# Altium PCB HMI_F767_V1.0_edited.PcbDoc (part 1 of 3)
Units mm, origin at the board's own origin, x right, y up, seen from the top; angles counter-clockwise.
Board outline 215.87 x 145.41 mm, 2 copper layers (Top Layer, Bottom Layer), stack 1.635 mm thick; 236 components, 218 nets, 1089 pads, 471 vias.
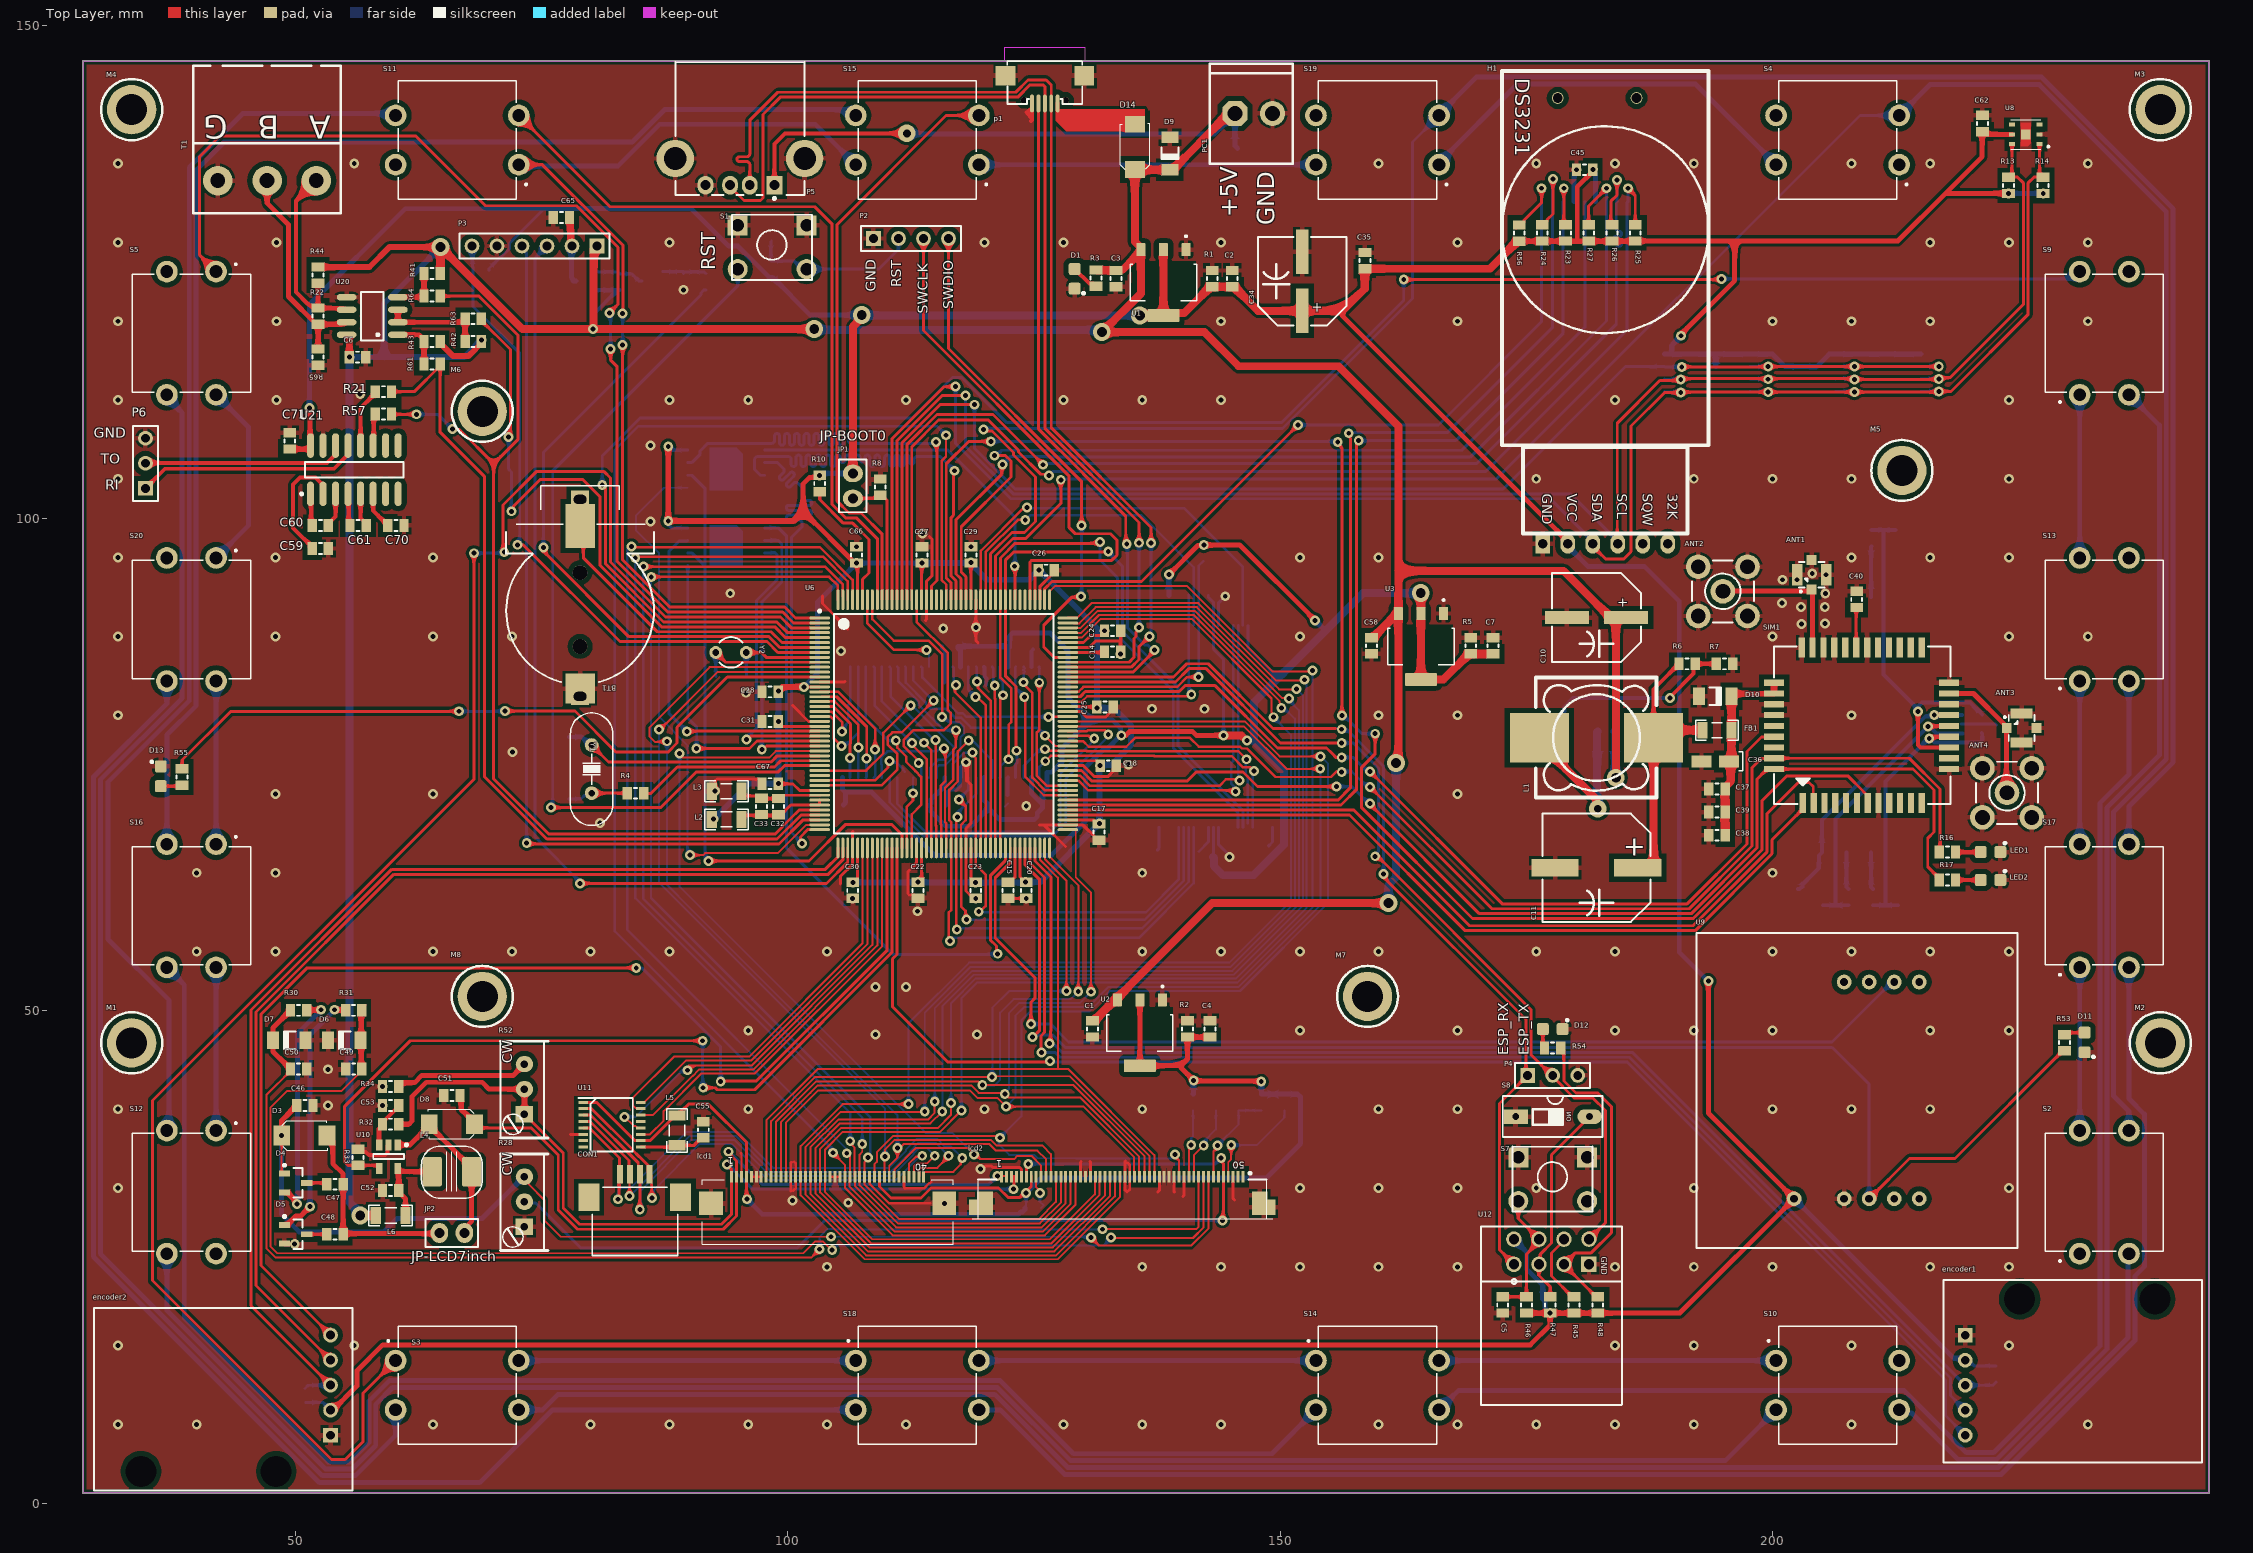
[diagram p0: Top Layer view]
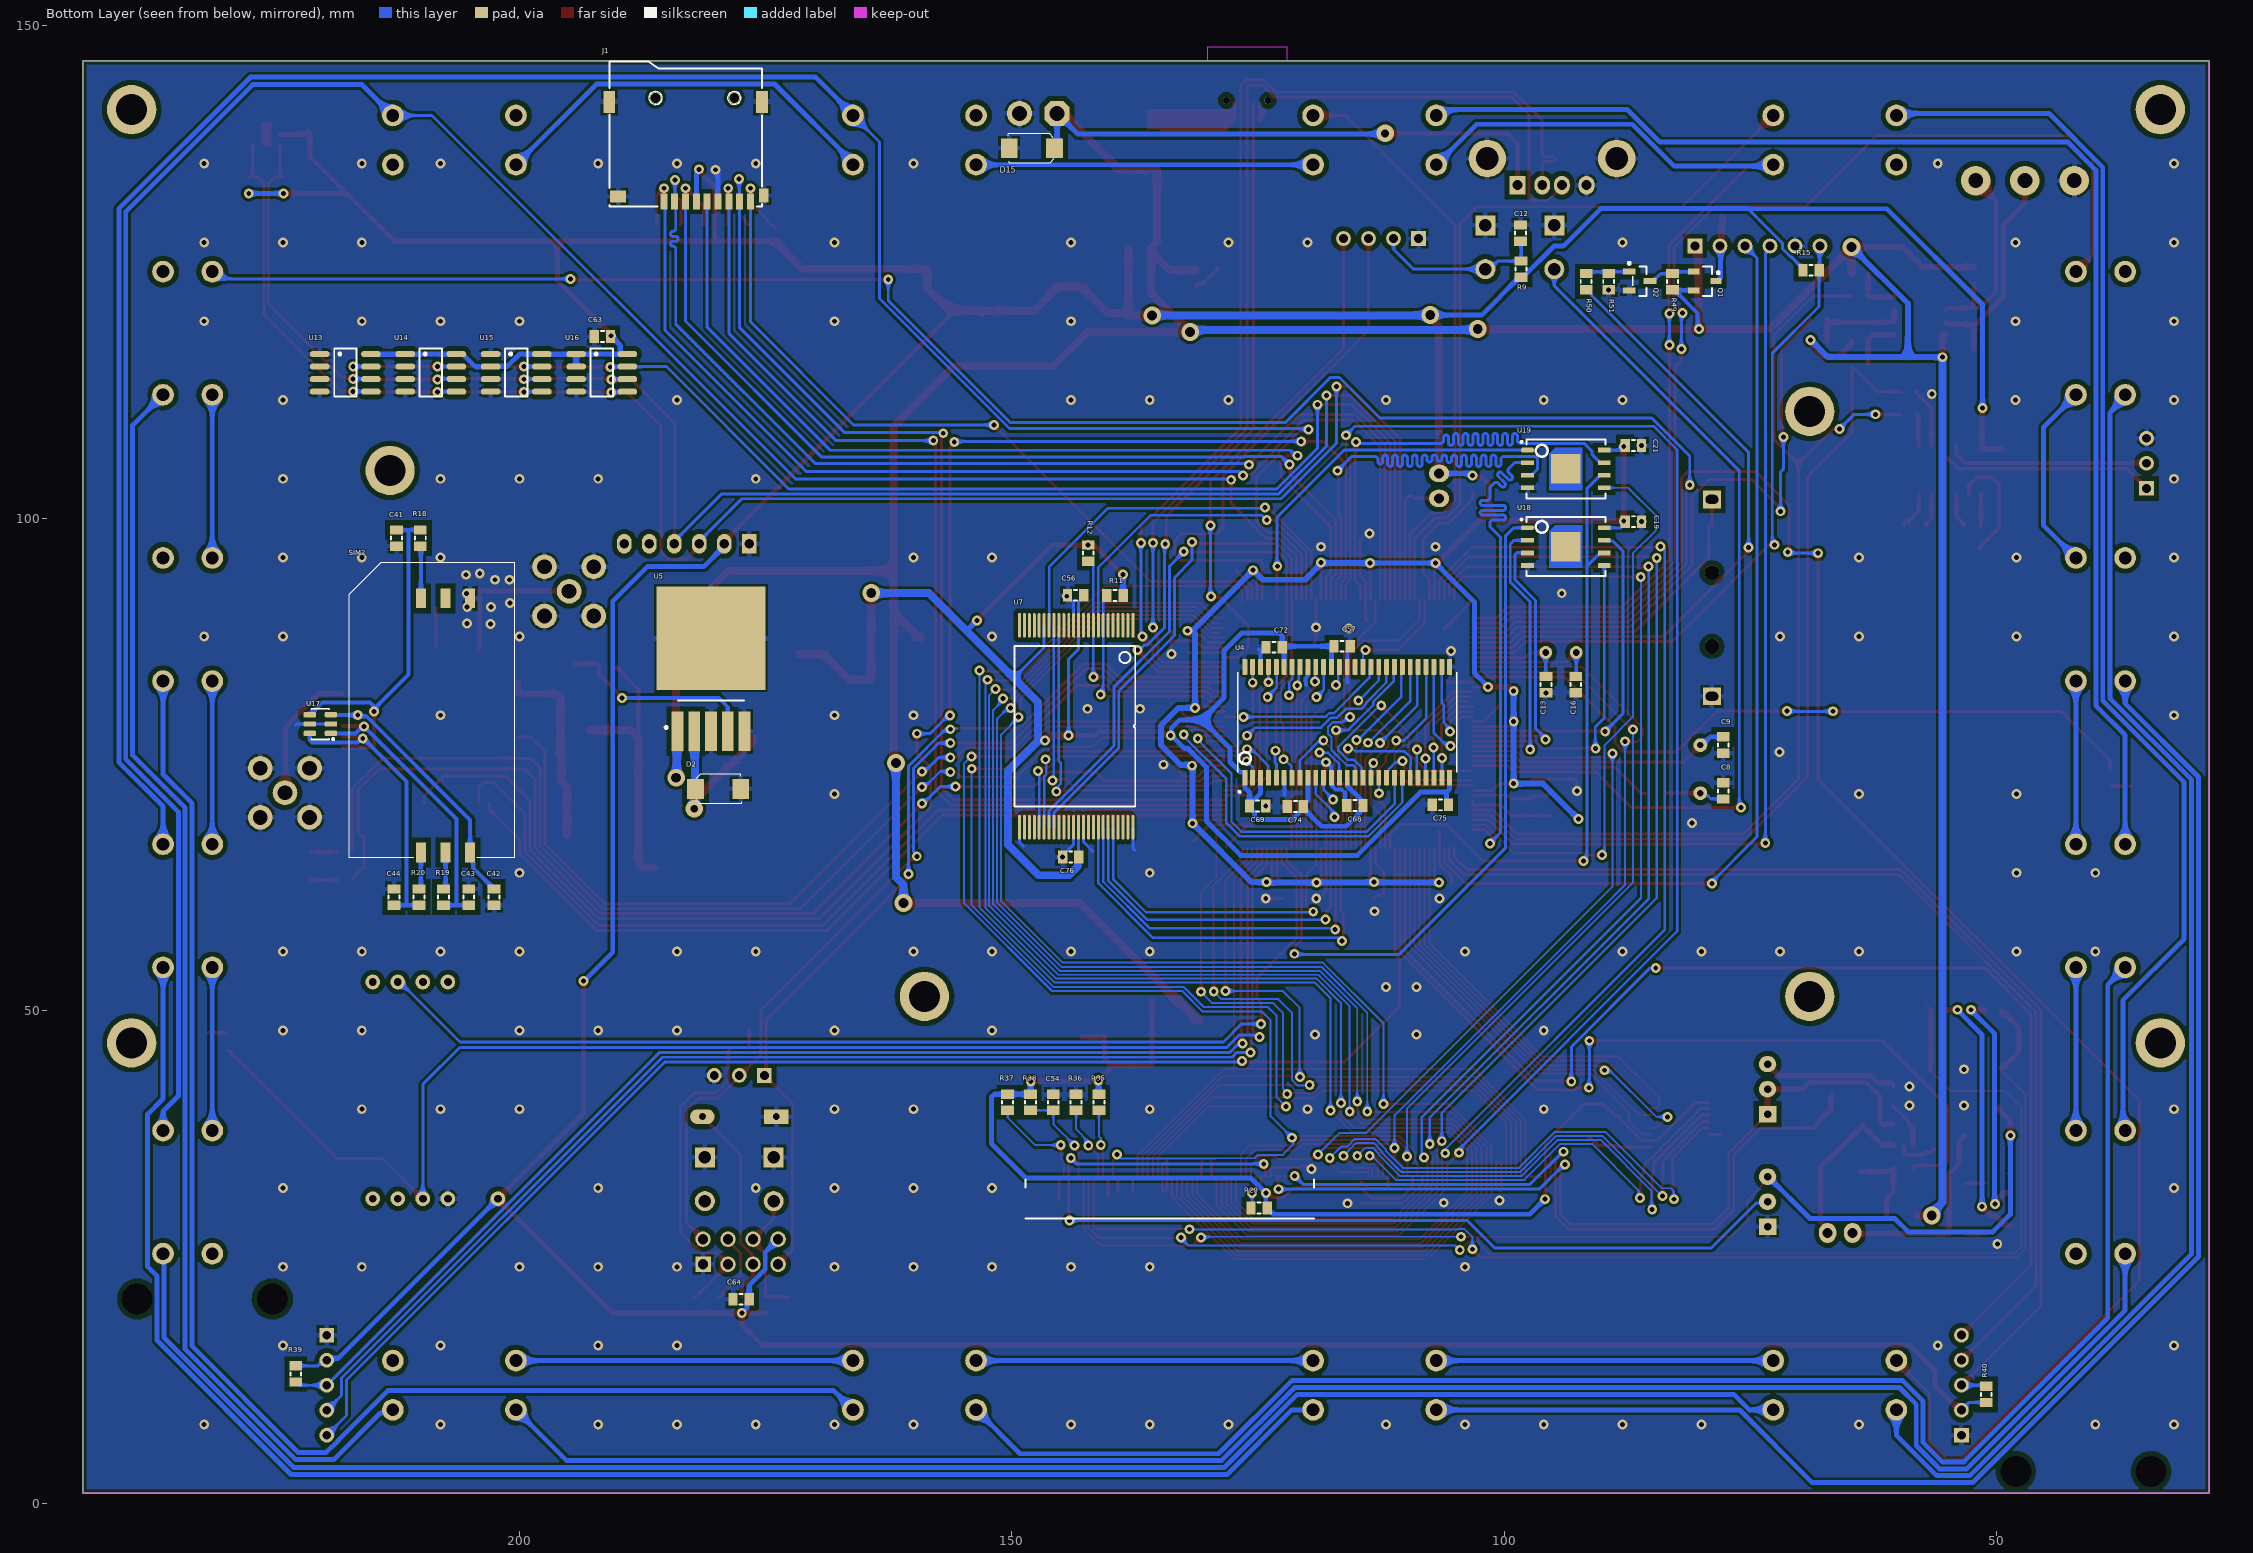
[diagram p1: Bottom Layer view, seen from below]
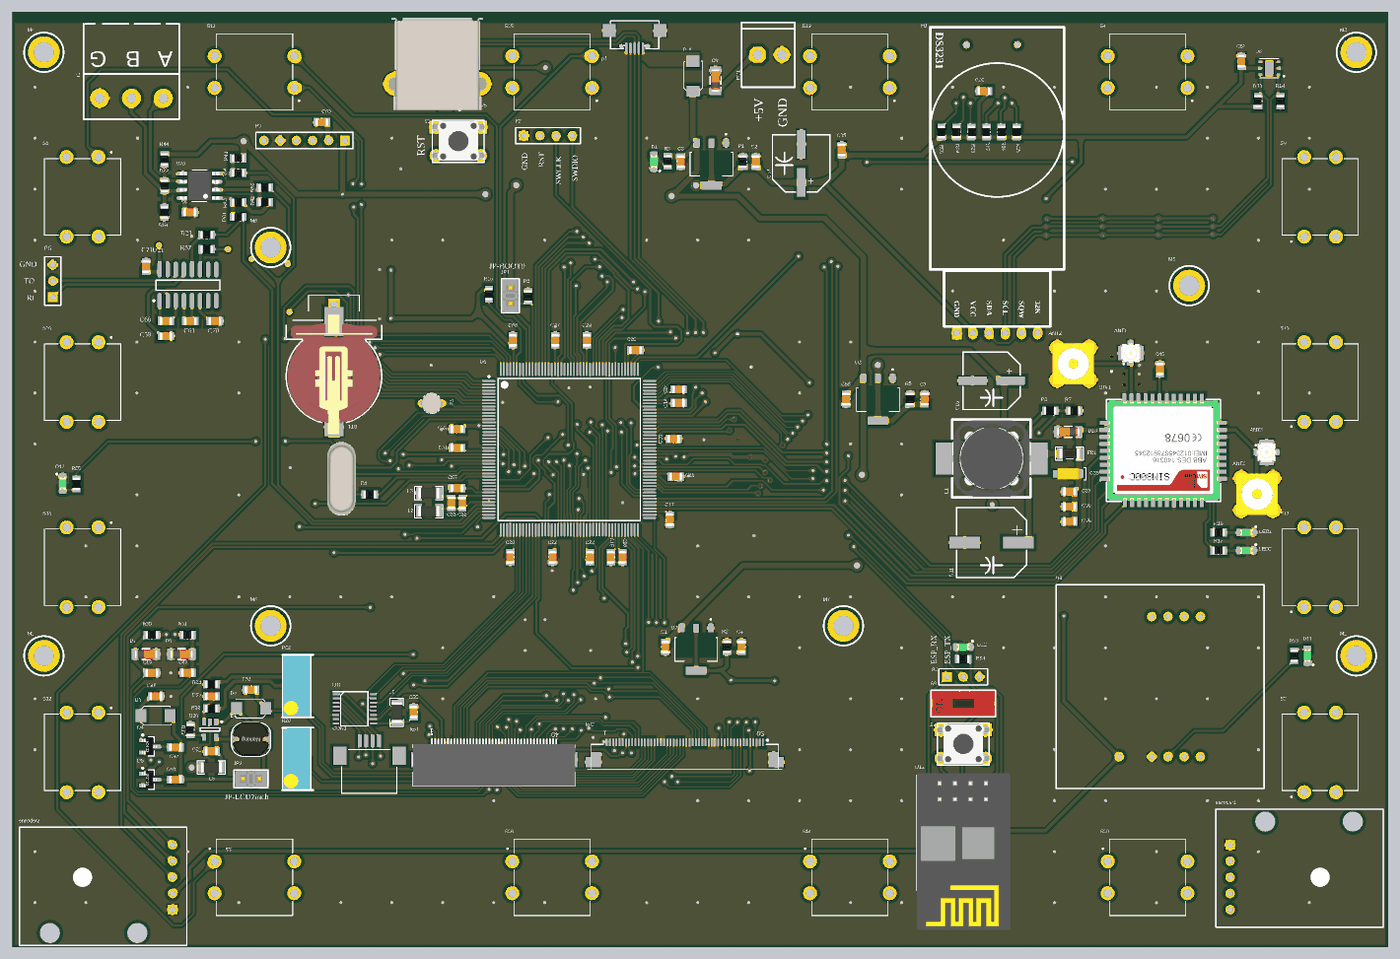
[diagram p4: 3D render of the assembled board from above, using the file's embedded part models]
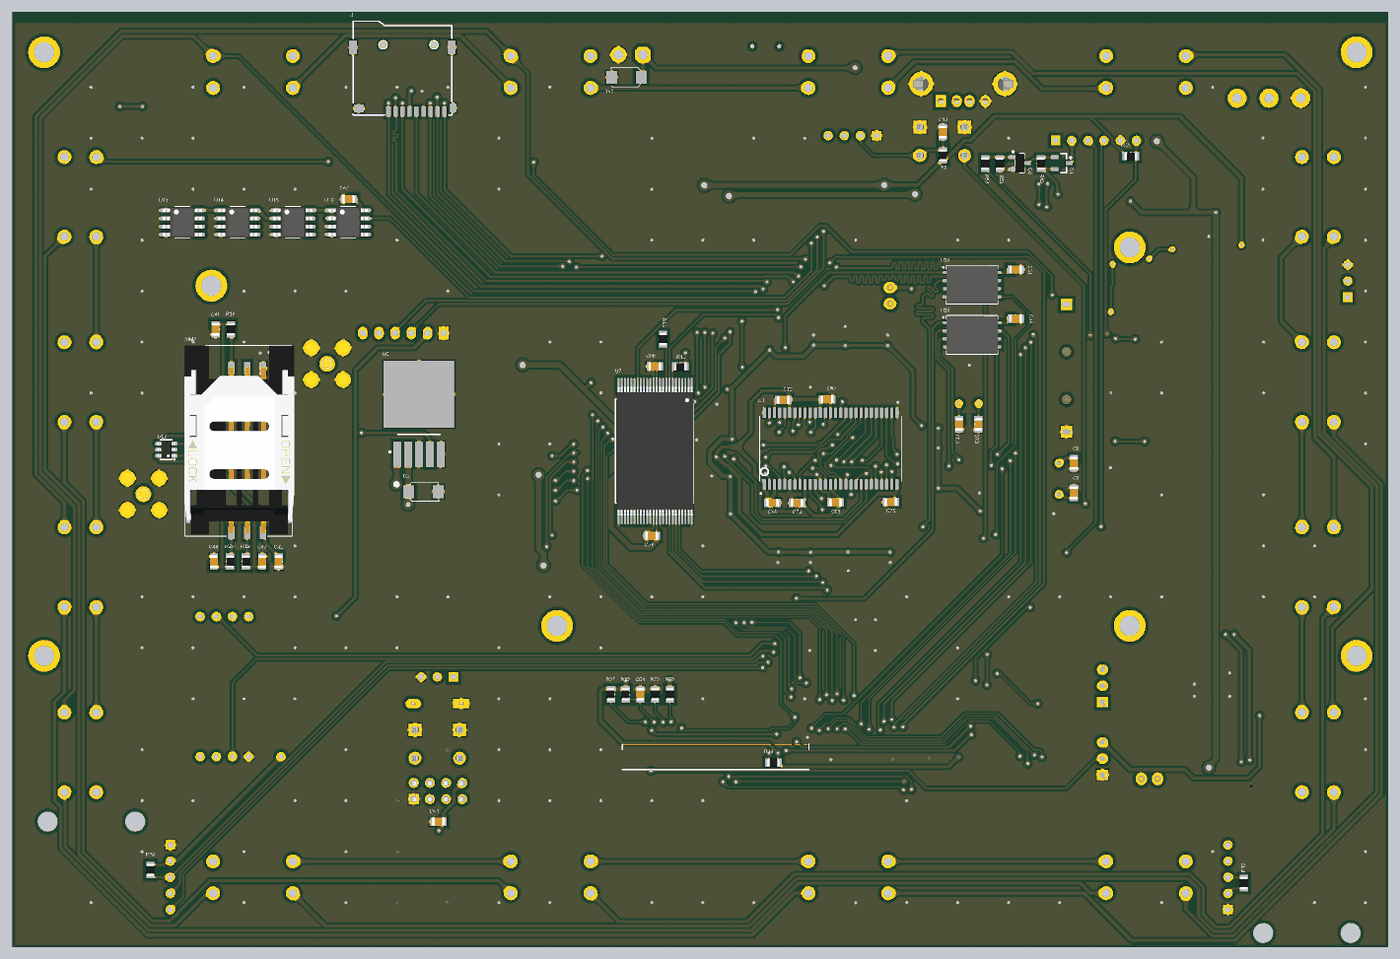
[diagram p5: 3D render of the assembled board from below, using the file's embedded part models]

## Layer stack, top to bottom
Top Solder: solder mask 0.0102, Solder Resist, Dk 3.5
Top Layer: signal copper 0.0175
Dielectric 1: dielectric 1.6, FR-4, Dk 4.8
Bottom Layer: signal copper 0.0175
Bottom Solder: solder mask 0.0102, Solder Resist, Dk 3.5

## Board outline
28.448,1.016 28.448,146.431 244.316,146.431 244.316,1.016

## Design rules (kind name [scope] priority, off if disabled: settings)
Clearance [All] p1: gap=0.2 ignorepadtopadclearanceinfootprint=TRUE except(0: Arc-Hole Track-Hole SMDPad-Hole THPad-Hole Via-Hole Fill-Hole Poly-Hole Region-Hole Text-Hole; 0.3: Arc-Fill Arc-Poly Arc-Region Track-Fill Track-Poly Track-Region Via-Fill Via-Poly Via-Region Fill-Fill Fill-Poly Fill-Region Poly-Poly Poly-Region Region-Region; 0.5: SMDPad-Fill SMDPad-Poly SMDPad-Region THPad-Fill THPad-Poly THPad-Region)
Height [All] p1: minheight=0 maxheight=50 prefheight=12.7
HoleSize [All] p1: absolutevalues=TRUE maxlimit=3.5 minlimit=0.4 maxpercent=80.000 minpercent=20.000
PolygonConnect [All] p1: thpad.connectstyle=Relief thpad.reliefconductorwidth=0.5 thpad.reliefentries=4 thpad.polygonreliefangle="90 Angle" thpad.airgapwidth=0.25 smdpad.connectstyle=Relief smdpad.reliefconductorwidth=0.5 smdpad.reliefentries=4 smdpad.polygonreliefangle="90 Angle" smdpad.airgapwidth=0.25 via.connectstyle=Direct via.reliefconductorwidth=0.5 via.reliefentries=4 via.polygonreliefangle="90 Angle" via.airgapwidth=0.254
RoomDefinition U_pripherals [InComponentClass('U_pripherals')] p1 off: confinementstyle=ConfineIn formatcopy=TRUE lockcomponents=FALSE outline 321.35,169.975 481.3,169.975 481.3,202.85 321.35,202.85
RoomDefinition U_SDRAM [InComponentClass('U_SDRAM')] p2 off: confinementstyle=ConfineIn formatcopy=TRUE lockcomponents=FALSE outline 320.852,145.95 479.925,145.95 479.925,166.27 320.852,166.27
RoomDefinition U_pripherals2 [InComponentClass('U_pripherals2')] p3 off: confinementstyle=ConfineIn formatcopy=TRUE lockcomponents=FALSE outline 321.698,38.264 478,38.264 478,56.425 321.698,56.425
RoomDefinition U_power [InComponentClass('U_power')] p4 off: confinementstyle=ConfineIn formatcopy=TRUE lockcomponents=FALSE outline 320.571,98.975 478.55,98.975 478.55,118.914 320.571,118.914
RoomDefinition U_micro [InComponentClass('U_micro')] p5 off: confinementstyle=ConfineIn formatcopy=TRUE lockcomponents=FALSE outline 319.675,122.305 479.375,122.305 479.375,142.625 319.675,142.625
RoomDefinition U_lcd [InComponentClass('U_lcd')] p6 off: confinementstyle=ConfineIn formatcopy=TRUE lockcomponents=FALSE outline 321.604,59.71 478,59.71 478,94 321.604,94
RoomDefinition U_GSM [InComponentClass('U_GSM')] p7 off: confinementstyle=ConfineIn formatcopy=TRUE lockcomponents=FALSE outline 322.95,0 478.398,0 478.398,33.528 322.95,33.528
RoutingVias [All] p1: holewidth=0.5 width=1 viastyle="Through Hole" minholewidth=0.4 minwidth=0.8 maxholewidth=1 maxwidth=2
SolderMaskExpansion [All] p1: expansion=0.102 istentingtop=FALSE
UnRoutedNet [All] p1: checkbadconnections=TRUE
Width [All] p1: maxlimit=0.8 minlimit=0.2 preferedwidth=0.3
27 further rules are at their usual default settings.

## Classes and differential pairs
net class SD_D[0..3]: SD_D0 SD_D1 SD_D2 SD_D3
net class LCD_R[3..7]: LCD_R3 LCD_R4 LCD_R5 LCD_R6 LCD_R7
net class LCD_G[2..7]: LCD_G2 LCD_G3 LCD_G4 LCD_G5 LCD_G6 LCD_G7
net class LCD_B[3..7]: LCD_B3 LCD_B4 LCD_B5 LCD_B6 LCD_B7
net class FLASH_SPI: QUAD_BK1_CS QUAD_BK1_IO0 QUAD_BK1_IO1 QUAD_BK1_IO2 QUAD_BK1_IO3 QUAD_BK2_CS QUAD_BK2_IO0 QUAD_BK2_IO1 QUAD_BK2_IO2 QUAD_BK2_IO3 QUAD_CLK
net class QUAD_BK2_IO[0..3]: QUAD_BK2_IO0 QUAD_BK2_IO1 QUAD_BK2_IO2 QUAD_BK2_IO3
net class QUAD_BK1_IO[0..3]: QUAD_BK1_IO0 QUAD_BK1_IO1 QUAD_BK1_IO2 QUAD_BK1_IO3
net class FMC_D[0..15]: FMC_D0 FMC_D1 FMC_D2 FMC_D3 FMC_D4 FMC_D5 FMC_D6 FMC_D7 FMC_D8 FMC_D9 FMC_D10 FMC_D11 FMC_D12 FMC_D13 FMC_D14 FMC_D15
net class FMC_A[0..12]: FMC_A0 FMC_A1 FMC_A2 FMC_A3 FMC_A4 FMC_A5 FMC_A6 FMC_A7 FMC_A8 FMC_A9 FMC_A10 FMC_A11 FMC_A12
component class U_SDRAM: C56 C57 C68 C69 C72 C74 C75 C76 R11 R12 U4 U7
component class U_pripherals2: C58 C59 C60 C61 C70 C71 P6 R21 R22 R41 R42 R43 R44 R57 R61 R63 R64 R65 S2 S3 S4 S5 S9 S10 S11 S12 S13 S14 S15 S16 S17 S18 S19 S20 T1 U20 U21
net class SDIO: SD_CLK SD_CMD SD_D0 SD_D1 SD_D2 SD_D3
component class U_lcd: C46 C47 C48 C49 C50 C51 C52 C53 C54 C55 CON1 D3 D4 D5 D6 D7 D8 JP2 L4 L5 L6 lcd1 lcd2 R28 R29 R30 R31 R32 R33 R34 R35 R36 R37 R38 R52 U10 U11
component class U_GSM: ANT1 ANT2 ANT3 ANT4 C36 C37 C38 C39 C40 C41 C42 C43 C44 D10 LED1 LED2 R16 R17 R18 R19 R20 SIM1 SIM2 U17
component class U_pripherals: C5 C34 C35 C45 C62 C63 C64 C65 C66 C67 D11 D12 D13 encoder1 encoder2 H1 J1 P3 P4 P5 Q1 Q2 R15 R23 R24 R25 R26 R27 R39 R40 R45 R46 R47 R48 R49 R50 R51 R53 R54 R55 R56 S7 S8 U8 U9 U12 U13 U14 U15 U16 U18 U19
component class U_power: C1 C2 C3 C4 C6 C7 C10 C11 D1 D2 D9 D14 D15 FB1 L1 M1 M2 M3 M4 M5 M6 M7 M8 p1 PC1 R1 R2 R3 R5 R6 R7 U1 U2 U3 U5
component class U_micro: BT1 C8 C9 C12 C13 C14 C15 C16 C17 C18 C19 C20 C21 C22 C23 C24 C25 C26 C27 C28 C29 C30 C31 C32 C33 JP1 L2 L3 P2 R4 R8 R9 R10 R13 R14 S1 U6 Y1 Y2

## Components (designator, comment, footprint, x,y, rotation, side; value= is the part's Value field where it differs from the comment)
ANT1 "Antenna UFL" "UFL ant" 203.962,94.258 r0 top
ANT2 "Antenna SMA" SMA 194.95,92.575 r180 top
ANT3 "Antenna UFL" "UFL ant" 225.275,78.7 r270 top
ANT4 "Antenna SMA" SMA 223.8,72.125 r180 top
BT1 "CR1220" BTH1220 78.925,91.912 r270 top locked
C1 "cap 10uF" "Cap 805" 130.937,47.328 r90 top value=10uF
C2 "cap 22uF" "Cap 805" 145.14,125.152 r270 top value=22uF
C3 "cap 10uF" "Cap 805" 133.329,123.502 r90 top value=10uF
C4 "cap 22uF" "Cap 805" 142.875,48.978 r270 top value=22uF
C5 "cap 100nF" "Cap 805" 172.593,20.954 r270 top value=100nF
C6 "cap 10uF" "Cap 805" 57.15,116.35 r180 top value=10uF
C7 "cap 22uF" "Cap 805" 171.625,87.875 r270 top value=22uF
C8 "cap 22pF" "Cap 805" 77.775,73.15 r270 bottom value=22pF
C9 "cap 22pF" "Cap 805" 77.775,77.8 r270 bottom value=22pF
C10 "Aluminum 100uF" "Cap SMD 100UF 35~50v" 182.118,89.916 r0 top value=100uF
C11 "Aluminum 1000uF" "CAP SMD 1000UF 16V" 182.118,64.516 r0 top value=1000uF
C12 "cap 100nF" "Cap 805" 98.35,128.125 r90 bottom value=100nF
C13 "cap 22pF" "Cap 805" 95.775,82.275 r90 bottom value=22pF
C14 "cap 2.2uF" "Cap 805" 133.825,86.45 r180 top value=2.2uF
C15 "cap 2.2uF" "Cap 805" 122.375,61.4 r90 top value=2.2uF
C16 "cap 22pF" "Cap 805" 92.75,82.275 r90 bottom value=22pF
C17 "cap 100nF" "Cap 805" 131.625,67.3 r90 top value=100nF
C18 "cap 100nF" "Cap 805" 133.375,74.875 r180 top value=100nF
C19 "cap 100nF" "Cap 805" 86.075,99.65 r0 bottom value=100nF
C20 "cap 100nF" "Cap 805" 124.225,61.4 r90 top value=100nF
C21 "cap 100nF" "Cap 805" 86.075,107.375 r0 bottom value=100nF
C22 "cap 100nF" "Cap 805" 113.225,61.4 r90 top value=100nF
C23 "cap 100nF" "Cap 805" 119.1,61.4 r90 top value=100nF
C24 "cap 100nF" "Cap 805" 133.825,88.575 r180 top value=100nF
C25 "cap 100nF" "Cap 805" 133.05,80.825 r180 top value=100nF
C26 "cap 100nF" "Cap 805" 127.075,94.725 r180 top value=100nF
C27 "cap 100nF" "Cap 805" 113.65,97.1 r270 top value=100nF
C28 "cap 100nF" "Cap 805" 97.4,82.375 r0 top value=100nF
C29 "cap 100nF" "Cap 805" 118.625,97.1 r270 top value=100nF
C30 "cap 100nF" "Cap 805" 106.6,61.4 r90 top value=100nF
C31 "cap 100nF" "Cap 805" 97.4,79.375 r0 top value=100nF
C32 "cap 2.2uF" "Cap 805" 99.075,71.55 r270 top value=2.2uF
C33 "cap 100nF" "Cap 805" 97.35,71.575 r270 top value=100nF
C34 "Aluminum 100uF" "Cap SMD 100UF 35~50v" 152.252,124.053 r270 top value=100uF
C35 "cap 100nF" "Cap 805" 158.602,126.973 r270 top value=100nF
C36 "cap 100uF" "Cap 1206 (3216X18L) Size A" 195.58,75.311 r180 top value=100uF
C37 "cap 22pF" "Cap 805" 193.527,72.517 r0 top value=22pF
C38 "cap 100pF" "Cap 805" 193.527,67.818 r0 top value=100pF
C39 "cap 100nF" "Cap 805" 193.527,70.168 r0 top value=100nF
C40 "cap 4.7u" "Cap 805" 208.534,92.582 r270 top value=4.7u
C41 "cap 22pF" "Cap 805" 212.471,97.155 r90 bottom value=22pF
C42 "cap 1uF" "Cap 805" 202.565,60.706 r90 bottom value=1uF
C43 "cap 22pF" "Cap 805" 205.137,62.356 r270 bottom value=22pF
C44 "cap 22pF" "Cap 805" 212.725,62.357 r270 bottom value=22pF
C45 "cap 100nF" "Cap 805" 180.086,135.382 r0 top value=100nF
C46 "cap 100nF" "Cap 805" 50.166,40.386 r0 top value=100nF
C47 "cap 100nF" "Cap 805" 54.863,32.385 r180 top value=100nF
C48 "cap 100nF" "Cap 805" 53.213,27.305 r0 top value=100nF
C49 "cap 100nF" "Cap 805" 55.119,44.069 r0 top value=100nF
C50 "cap 100nF" "Cap 805" 49.53,44.069 r0 top value=100nF
C51 "cap 10uF" "Cap 805" 66.738,41.402 r180 top value=10uF
C52 "cap 10uF" "Cap 805" 60.515,31.75 r180 top value=10uF
C53 "cap 100pF" "Cap 805" 60.515,40.386 r180 top value=100pF
C54 "cap 1uF" "Cap 805" 145.796,41.528 r270 bottom value=1uF
C55 "cap 100nF" "Cap 805" 91.44,37.085 r90 top value=100nF
C56 "cap 100nF" "Cap 805" 144.35,92.175 r180 bottom value=100nF
C57 "cap 100nF" "Cap 805" 115.65,87 r0 bottom value=100nF
C58 "cap 100nF" "Cap 805" 159.275,87.875 r270 top value=100nF
C59 "cap 100nF" "Cap 805" 53.375,96.925 r180 top value=100nF
C60 "cap 100nF" "Cap 805" 51.725,99.275 r0 top value=100nF
C61 "cap 100nF" "Cap 805" 55.562,99.275 r0 top value=100nF
C62 "cap 100nF" "Cap 805" 221.3,140.9 r270 top value=100nF
C63 "cap 100nF" "Cap 805" 192.399,118.444 r180 bottom value=100nF
C64 "cap 100nF" "Cap 805" 178.308,20.701 r180 bottom value=100nF
C65 "cap 100nF" "Cap 805" 76.2,130.525 r0 top value=100nF
C66 "cap 100nF" "Cap 805" 107,97.1 r270 top value=100nF
C67 "cap 100nF" "Cap 805" 97.4,73.05 r0 top value=100nF
C68 "cap 100nF" "Cap 805" 116,70.825 r180 bottom value=100nF
C69 "cap 100nF" "Cap 805" 124.225,70.775 r0 bottom value=100nF
C70 "cap 100nF" "Cap 805" 59.4,99.275 r0 top value=100nF
C71 "cap 100nF" "Cap 805" 49.45,107.025 r90 top value=100nF
C72 "cap 100nF" "Cap 805" 124.2,86.9 r180 bottom value=100nF
C74 "cap 100nF" "Cap 805" 122.05,70.725 r180 bottom value=100nF
C75 "cap 100nF" "Cap 805" 107.325,70.9 r180 bottom value=100nF
C76 "cap 100nF" "Cap 805" 144.85,65.6 r180 bottom value=100nF
CON1 "FPC4Pin" FPC-4pin-1mm 84.48,38.202 r180 top
D1 "LED Red" 0805-LED 129.138,124.307 r270 top
D2 "1n5822" "SMA DIODE 2" 179.832,72.517 r0 bottom
D3 "1n5822" "SMA DIODE 2" 50.927,37.338 r180 top
D4 "BAV99" SOT23_BEC_N 50.038,32.512 r0 top
D5 "BAV99" SOT23_BEC_N 50.038,27.305 r0 top
D6 "Zener 5.6v" "Diode 1n4148 SMD" 56.642,46.99 r180 top
D7 "Zener 16.8v" "Diode 1n4148 SMD" 51.055,46.99 r180 top
D8 "1n5822" "SMA DIODE 2" 65.913,38.481 r0 top
D9 "Zener 5.6v" "Diode 1n4148 SMD" 138.811,138.682 r270 top
D10 "Zener  5.1v" "Diode 1n4148 SMD" 192.534,81.915 r0 top
D11 "LED Red" 0805-LED 231.675,46.775 r270 top
D12 "LED Red" 0805-LED 177.673,48.133 r0 top
D13 "LED Green" 0805-LED 36.35,73.8 r90 top
D14 "1n5822" "SMA DIODE 2" 135.275,137.7 r270 top
D15 "1n5822" "SMA DIODE 2" 147.975,137.55 r180 bottom
encoder1 "Header5Pin Female" KY-040-ENCODER 230.555,13.403 r180 top locked
encoder2 "Header5Pin Female" KY-040-ENCODER 42.595,10.553 r0 top locked
FB1 "Ferrite bead 270R" FB1206 194.352,78.486 r0 top value=270R
H1 "Header6Pin Female Right" DS3231 176.657,97.409 r270 top locked
J1 "MicroSD" SD_card 183.134,137.414 r0 bottom locked
JP1 "Jumper" "Jumper Small - 2.54 - GRAY" 106.625,103.275 r90 top
JP2 "Jumper" "Jumper Small - 2.54 - GRAY" 65.913,27.432 r0 top
L1 "inductor 100uH" inductor 182.118,77.724 r90 top value=100uH
L2 "inductor 10uH" IND1206 93.8,69.425 r0 top value=10uH
L3 "inductor 10uH" IND1206 93.8,72.275 r0 top value=10uH
L4 "inductor 10uH 500mA" "Inductor SMD 3x3.2mm" 65.913,33.655 r180 top value="10uH 500mA"